# Altium PCB VOU_SOM_CV_V0.0.1.PcbDoc (part 1 of 5) (continued)
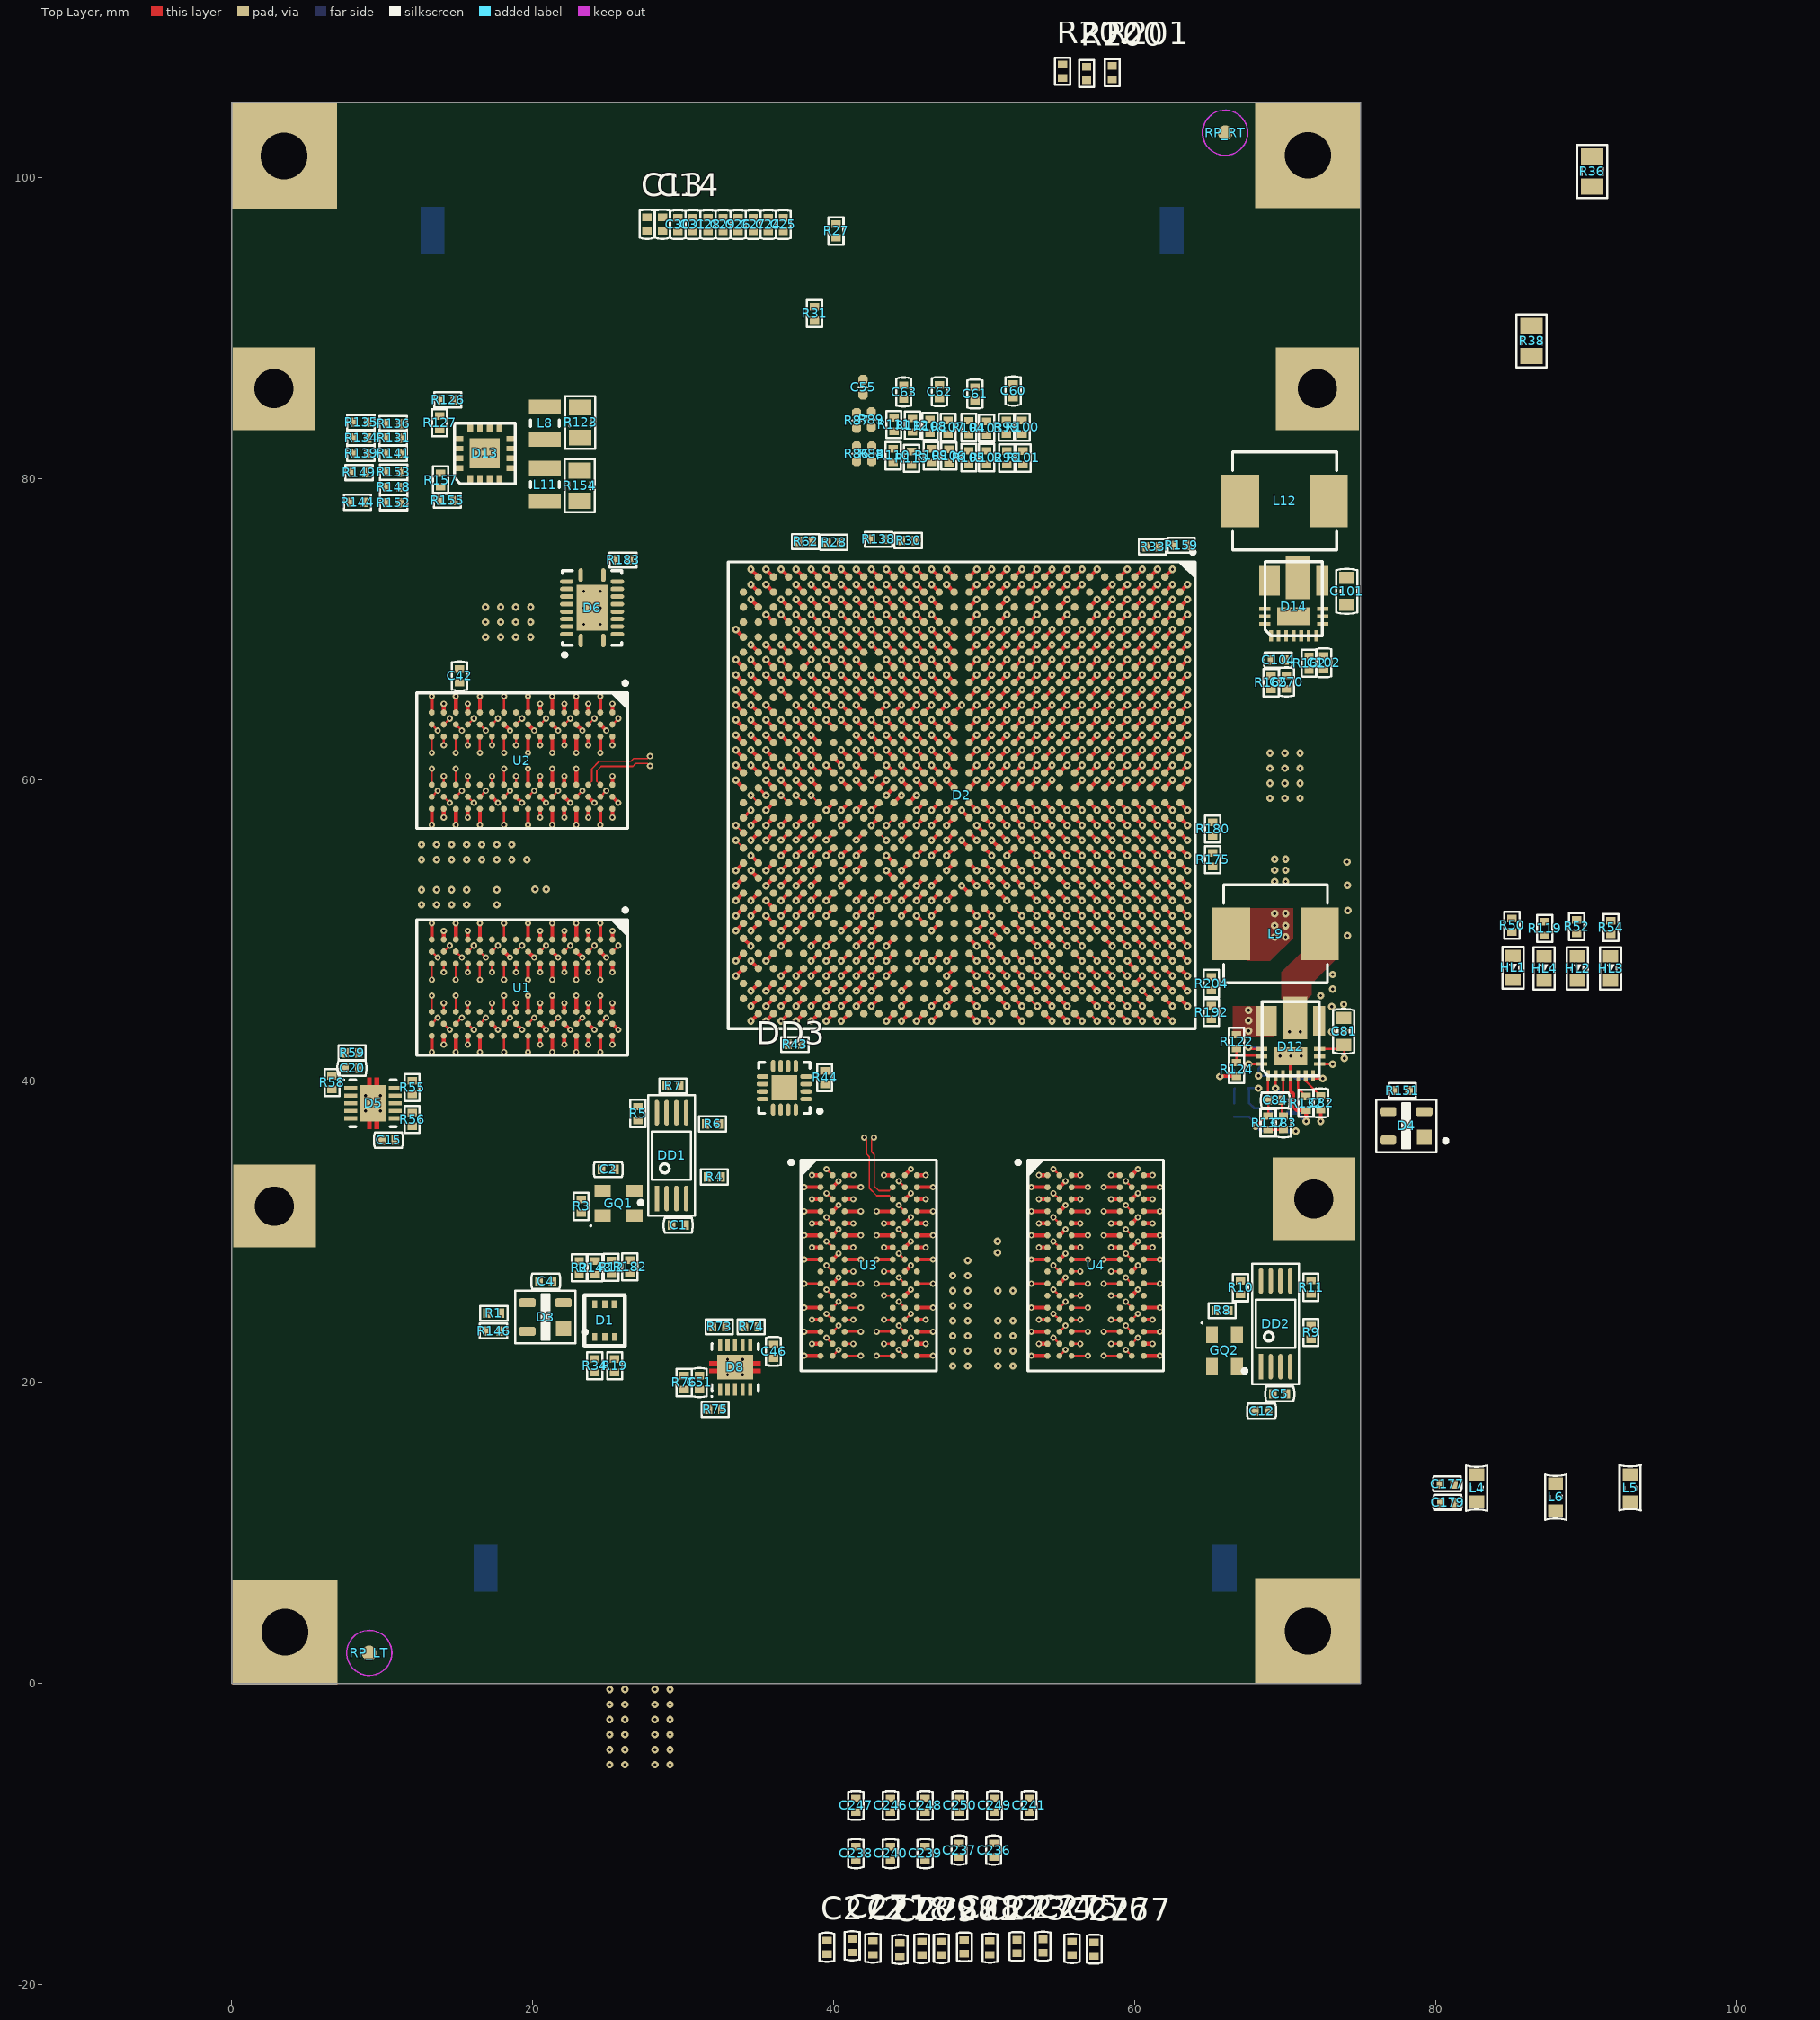
[diagram p0: Top Layer view]
## Classes and differential pairs
net class DDR_D2_HPS: HPS_DDR_D16 HPS_DDR_D17 HPS_DDR_D18 HPS_DDR_D19 HPS_DDR_D20 HPS_DDR_D21 HPS_DDR_D22 HPS_DDR_D23 HPS_DDR_D24 HPS_DDR_D25 HPS_DDR_D26 HPS_DDR_D27 HPS_DDR_D28 HPS_DDR_D29 HPS_DDR_D30 HPS_DDR_D31 HPS_DDR_DM2 HPS_DDR_DM3 HPS_DDR_DQS2_N HPS_DDR_DQS2_P HPS_DDR_DQS3_N HPS_DDR_DQS3_P
net class DDR_D1_HPS: HPS_DDR_D0 HPS_DDR_D1 HPS_DDR_D2 HPS_DDR_D3 HPS_DDR_D4 HPS_DDR_D5 HPS_DDR_D6 HPS_DDR_D7 HPS_DDR_D8 HPS_DDR_D9 HPS_DDR_D10 HPS_DDR_D11 HPS_DDR_D12 HPS_DDR_D13 HPS_DDR_D14 HPS_DDR_D15 HPS_DDR_DM0 HPS_DDR_DM1 HPS_DDR_DQS0_N HPS_DDR_DQS0_P HPS_DDR_DQS1_N HPS_DDR_DQS1_P
net class _PAIR: FPGA_DDR_CK_H_N FPGA_DDR_CK_H_P FPGA_DDR_DQS0_N FPGA_DDR_DQS0_P FPGA_DDR_DQS1_N FPGA_DDR_DQS1_P FPGA_DDR_DQS2_N FPGA_DDR_DQS2_P FPGA_DDR_DQS3_N FPGA_DDR_DQS3_P GXB_REF_CKI_N GXB_REF_CKI_P GXB_REF_CKO_N GXB_REF_CKO_P GXB_RXA0_N GXB_RXA0_P GXB_RXA1_N GXB_RXA1_P GXB_RXA2_N GXB_RXA2_P GXB_RXA3_N GXB_RXA3_P GXB_TXA0_N GXB_TXA0_P GXB_TXA1_N GXB_TXA1_P GXB_TXA2_N GXB_TXA2_P GXB_TXA3_N GXB_TXA3_P GXB_TXA_C0_N GXB_TXA_C0_P GXB_TXA_C1_N GXB_TXA_C1_P GXB_TXA_C2_N GXB_TXA_C2_P GXB_TXA_C3_N GXB_TXA_C3_P HPS_DDR_CK_H_N HPS_DDR_CK_H_P HPS_DDR_DQS0_N HPS_DDR_DQS0_P HPS_DDR_DQS1_N HPS_DDR_DQS1_P HPS_DDR_DQS2_N HPS_DDR_DQS2_P HPS_DDR_DQS3_N HPS_DDR_DQS3_P LVDS0_CKI_N LVDS0_CKI_P LVDS0_CKO_N LVDS0_CKO_P LVDS0_RX0_N LVDS0_RX0_P LVDS0_RX1_N LVDS0_RX1_P LVDS0_RX2_N LVDS0_RX2_P LVDS0_RX3_N LVDS0_RX3_P LVDS0_TX0_N LVDS0_TX0_P LVDS0_TX1_N LVDS0_TX1_P LVDS0_TX2_N LVDS0_TX2_P LVDS0_TX3_N LVDS0_TX3_P LVDS1_CKI_N LVDS1_CKI_P LVDS1_CKO_N LVDS1_CKO_P LVDS1_RX0_N LVDS1_RX0_P LVDS1_RX1_N LVDS1_RX1_P LVDS1_RX2_N LVDS1_RX2_P LVDS1_RX3_N LVDS1_RX3_P LVDS1_TX0_N LVDS1_TX0_P LVDS1_TX1_N LVDS1_TX1_P LVDS1_TX2_N LVDS1_TX2_P LVDS1_TX3_N LVDS1_TX3_P MIPI_CSI_CKA_HS_N MIPI_CSI_CKA_HS_P MIPI_CSI_CKA_LP_N MIPI_CSI_CKA_LP_P MIPI_CSI_CKB_HS_N MIPI_CSI_CKB_HS_P MIPI_CSI_CKB_LP_N MIPI_CSI_CKB_LP_P MIPI_CSI_DA0_HS_N MIPI_CSI_DA0_HS_P MIPI_CSI_DA0_LP_N MIPI_CSI_DA0_LP_P MIPI_CSI_DA1_HS_N MIPI_CSI_DA1_HS_P MIPI_CSI_DA1_LP_N MIPI_CSI_DA1_LP_P MIPI_CSI_DA2_HS_N MIPI_CSI_DA2_HS_P MIPI_CSI_DA2_LP_N MIPI_CSI_DA2_LP_P MIPI_CSI_DA3_HS_N MIPI_CSI_DA3_HS_P MIPI_CSI_DA3_LP_N MIPI_CSI_DA3_LP_P MIPI_CSI_DB0_HS_N MIPI_CSI_DB0_HS_P MIPI_CSI_DB0_LP_N MIPI_CSI_DB0_LP_P MIPI_CSI_DB1_HS_N MIPI_CSI_DB1_HS_P MIPI_CSI_DB1_LP_N MIPI_CSI_DB1_LP_P MIPI_CSI_DB2_HS_N MIPI_CSI_DB2_HS_P MIPI_CSI_DB2_LP_N MIPI_CSI_DB2_LP_P MIPI_CSI_DB3_HS_N MIPI_CSI_DB3_HS_P MIPI_CSI_DB3_LP_N MIPI_CSI_DB3_LP_P
net class PWR: DDR3_VREF_FPGA DDR3_VREF_HPS DDR3_VTT_FPGA DDR3_VTT_HPS GND GND_A GND_B VCC1P1 VCC1P5_DDR3 VCC2P5 VCC2P5_IO VCC3P3 VCC3P3_IO VCC_BAT VCCA_FPLL_2P5 VCCAUX_2P5 VCCAUX_SH_2P5 VCCH_GXBL_2P5 VCCL_GXBL_1P1 VCCPLL_HPS_2P5 VCCRSTCLK_HPS VIN
net class RGMI: RGMI_MDC RGMI_MDC_R RGMI_MDIO RGMI_MDIO_R RGMI_RX_CLK RGMI_RX_CLK_R RGMI_RX_CTL RGMI_RX_CTL_R RGMI_RXD0 RGMI_RXD0_R RGMI_RXD1 RGMI_RXD1_R RGMI_RXD2 RGMI_RXD2_R RGMI_RXD3 RGMI_RXD3_R RGMI_TX_CLK RGMI_TX_CLK_R RGMI_TX_CTL RGMI_TX_CTL_R RGMI_TXD0 RGMI_TXD0_R RGMI_TXD1 RGMI_TXD1_R RGMI_TXD2 RGMI_TXD2_R RGMI_TXD3 RGMI_TXD3_R
net class MIPI: MIPI_CSI-2_A_CK24_2V5 MIPI_CSI-2_A_I2C_CL_2V5 MIPI_CSI-2_A_I2C_CL_R_2V5 MIPI_CSI-2_A_I2C_DA_2V5 MIPI_CSI-2_A_I2C_DA_R_2V5 MIPI_CSI-2_B_CK24_2V5 MIPI_CSI-2_B_I2C_CL_2V5 MIPI_CSI-2_B_I2C_CL_R_2V5 MIPI_CSI-2_B_I2C_DA_2V5 MIPI_CSI-2_B_I2C_DA_R_2V5 MIPI_CSI_CKA_HS_N MIPI_CSI_CKA_HS_P MIPI_CSI_CKA_LP_N MIPI_CSI_CKA_LP_P MIPI_CSI_CKB_HS_N MIPI_CSI_CKB_HS_P MIPI_CSI_CKB_LP_N MIPI_CSI_CKB_LP_P MIPI_CSI_DA0_HS_N MIPI_CSI_DA0_HS_P MIPI_CSI_DA0_LP_N MIPI_CSI_DA0_LP_P MIPI_CSI_DA1_HS_N MIPI_CSI_DA1_HS_P MIPI_CSI_DA1_LP_N MIPI_CSI_DA1_LP_P MIPI_CSI_DA2_HS_N MIPI_CSI_DA2_HS_P MIPI_CSI_DA2_LP_N MIPI_CSI_DA2_LP_P MIPI_CSI_DA3_HS_N MIPI_CSI_DA3_HS_P MIPI_CSI_DA3_LP_N MIPI_CSI_DA3_LP_P MIPI_CSI_DB0_HS_N MIPI_CSI_DB0_HS_P MIPI_CSI_DB0_LP_N MIPI_CSI_DB0_LP_P MIPI_CSI_DB1_HS_N MIPI_CSI_DB1_HS_P MIPI_CSI_DB1_LP_N MIPI_CSI_DB1_LP_P MIPI_CSI_DB2_HS_N MIPI_CSI_DB2_HS_P MIPI_CSI_DB2_LP_N MIPI_CSI_DB2_LP_P MIPI_CSI_DB3_HS_N MIPI_CSI_DB3_HS_P MIPI_CSI_DB3_LP_N MIPI_CSI_DB3_LP_P
net class LVDS1_TX: LVDS1_TX0_N LVDS1_TX0_P LVDS1_TX1_N LVDS1_TX1_P LVDS1_TX2_N LVDS1_TX2_P LVDS1_TX3_N LVDS1_TX3_P
net class LVDS1_RX: LVDS1_RX0_N LVDS1_RX0_P LVDS1_RX1_N LVDS1_RX1_P LVDS1_RX2_N LVDS1_RX2_P LVDS1_RX3_N LVDS1_RX3_P
net class LVDS1_CK: LVDS1_CKI_N LVDS1_CKI_P LVDS1_CKO LVDS1_CKO_N LVDS1_CKO_P
net class LVDS0_TX: LVDS0_TX0_N LVDS0_TX0_P LVDS0_TX1_N LVDS0_TX1_P LVDS0_TX2_N LVDS0_TX2_P LVDS0_TX3_N LVDS0_TX3_P
net class LVDS0_RX: LVDS0_RX0_N LVDS0_RX0_P LVDS0_RX1_N LVDS0_RX1_P LVDS0_RX2_N LVDS0_RX2_P LVDS0_RX3_N LVDS0_RX3_P
net class LVDS0_CK: LVDS0_CKI_N LVDS0_CKI_P LVDS0_CKO LVDS0_CKO_N LVDS0_CKO_P
net class USB_HPS: HPS_USB_CKO HPS_USB_CKO_R HPS_USB_D0 HPS_USB_D0_R HPS_USB_D1 HPS_USB_D1_R HPS_USB_D2 HPS_USB_D2_R HPS_USB_D3 HPS_USB_D3_R HPS_USB_D4 HPS_USB_D4_R HPS_USB_D5 HPS_USB_D5_R HPS_USB_D6 HPS_USB_D6_R HPS_USB_D7 HPS_USB_D7_R HPS_USB_DIR HPS_USB_DIR_R HPS_USB_NXT HPS_USB_NXT_R HPS_USB_STP HPS_USB_STP_R
net class UART_HPS: HPS_UART0_RX HPS_UART0_RX_R HPS_UART0_TX HPS_UART0_TX_R HPS_UART1_RX HPS_UART1_RX_R HPS_UART1_TX HPS_UART1_TX_R
net class SPI_HPS: HPS_SPI_CS#_R HPS_SPI_MISO HPS_SPI_MISO_R HPS_SPI_MOSI HPS_SPI_MOSI_R HPS_SPI_SCK HPS_SPI_SCK_R
net class SD_HPS: HPS_SD_CLK HPS_SD_CLK_R HPS_SD_CMD HPS_SD_CMD_R HPS_SD_D0 HPS_SD_D0_R HPS_SD_D1 HPS_SD_D1_R HPS_SD_D2 HPS_SD_D2_R HPS_SD_D3 HPS_SD_D3_R
net class JTAG: HPS_JTAG_TCK HPS_JTAG_TDI HPS_JTAG_TDO HPS_JTAG_TMS TCK TDI TDO TMS
net class I2C_HPS: HPS_I2C0_CL HPS_I2C0_CL_R HPS_I2C0_DA HPS_I2C0_DA_R HPS_I2C1_CL HPS_I2C1_CL_R HPS_I2C1_DA HPS_I2C1_DA_R
net class IO_HPS: HPS_GPIO0 HPS_GPIO0_R HPS_GPIO1 HPS_GPIO1_R HPS_GPIO2 HPS_GPIO2_R HPS_GPIO3 HPS_GPIO3_R HPS_GPIO4 HPS_GPIO4_R HPS_GPIO5 HPS_GPIO5_R HPS_GPIO6 HPS_GPIO6_R HPS_GPIO7 HPS_GPIO7_R HPS_GPIO8 HPS_GPIO8_R HPS_GPIO9 HPS_GPIO9_R HPS_GPIO10 HPS_GPIO10_R HPS_GPIO11 HPS_GPIO11_R
net class DDR_A_HPS: HPS_DDR_A0 HPS_DDR_A1 HPS_DDR_A2 HPS_DDR_A3 HPS_DDR_A4 HPS_DDR_A5 HPS_DDR_A6 HPS_DDR_A7 HPS_DDR_A8 HPS_DDR_A9 HPS_DDR_A10 HPS_DDR_A11 HPS_DDR_A12 HPS_DDR_A13 HPS_DDR_A14 HPS_DDR_BA0 HPS_DDR_BA1 HPS_DDR_BA2 HPS_DDR_CAS# HPS_DDR_CK_H_N HPS_DDR_CK_H_P HPS_DDR_CKE HPS_DDR_CS# HPS_DDR_ODT HPS_DDR_RAS# HPS_DDR_RST# HPS_DDR_WE#
net class CLK: HPS_CLK_25_1 HPS_CLK_25_2 LVDS0_CKO LVDS0_CKO_N LVDS0_CKO_P LVDS1_CKO LVDS1_CKO_N LVDS1_CKO_P NetR7_2 NetR11_2 OSC_50_B3B OSC_50_B4B OSC_50_B5A5B
net class GXB_TXA: GXB_TXA0_N GXB_TXA0_P GXB_TXA1_N GXB_TXA1_P GXB_TXA2_N GXB_TXA2_P GXB_TXA3_N GXB_TXA3_P GXB_TXA_C0_N GXB_TXA_C0_P GXB_TXA_C1_N GXB_TXA_C1_P GXB_TXA_C2_N GXB_TXA_C2_P GXB_TXA_C3_N GXB_TXA_C3_P
net class GXB_RXA: GXB_RXA0_N GXB_RXA0_P GXB_RXA1_N GXB_RXA1_P GXB_RXA2_N GXB_RXA2_P GXB_RXA3_N GXB_RXA3_P
net class GXB_CK: GXB_REF_CKI_N GXB_REF_CKI_P GXB_REF_CKO_N GXB_REF_CKO_P
net class CFG_FPGA: FPGA_CFG2V5_IO_0 FPGA_CFG2V5_IO_1 FPGA_CFG2V5_IO_2 FPGA_CFG2V5_IO_3 FPGA_CFG2V5_IO_4 FPGA_CFG2V5_IO_5 FPGA_CFG2V5_IO_6 FPGA_CFG2V5_IO_7 FPGA_CFG2V5_IO_8 FPGA_CFG2V5_IO_9 FPGA_CFG2V5_IO_10 FPGA_CFG2V5_IO_11 FPGA_CFG2V5_IO_12 FPGA_CFG2V5_IO_13 FPGA_CFG2V5_IO_14 FPGA_CFG2V5_IO_15 FPGA_CFG2V5_IO_16 FPGA_CFG2V5_IO_17 FPGA_CFG2V5_IO_18 FPGA_CFG2V5_IO_19 FPGA_CFG2V5_IO_20 FPGA_CFG2V5_IO_21 FPGA_CFG2V5_IO_22 FPGA_CFG2V5_IO_23 FPGA_CFG2V5_IO_24 FPGA_CFG2V5_IO_25 FPGA_CFG2V5_IO_26 FPGA_CFG2V5_IO_27 FPGA_CFG2V5_IO_28 FPGA_CFG2V5_IO_29 FPGA_CFG2V5_IO_30 FPGA_CFG2V5_IO_31 FPGA_CFG2V5_IO_32 FPGA_CFG2V5_IO_33 FPGA_CFG2V5_IO_34 FPGA_CFG2V5_IO_35 FPGA_CFG2V5_IO_36 FPGA_CFG2V5_IO_37 FPGA_CFG2V5_IO_38 FPGA_CFG2V5_IO_39 FPGA_CFG2V5_IO_40 FPGA_CFG2V5_IO_41 FPGA_CFG2V5_IO_42 FPGA_CFG2V5_IO_43 FPGA_CFG2V5_IO_44 FPGA_CFG2V5_IO_45 FPGA_CFG2V5_IO_46 FPGA_CFG2V5_IO_47 FPGA_CFG2V5_IO_R_0 FPGA_CFG2V5_IO_R_1 FPGA_CFG2V5_IO_R_2 FPGA_CFG2V5_IO_R_3 FPGA_CFG2V5_IO_R_4 FPGA_CFG2V5_IO_R_5 FPGA_CFG2V5_IO_R_6 FPGA_CFG2V5_IO_R_7 FPGA_CFG2V5_IO_R_8 FPGA_CFG2V5_IO_R_9 FPGA_CFG2V5_IO_R_10 FPGA_CFG2V5_IO_R_11 FPGA_CFG2V5_IO_R_12 FPGA_CFG2V5_IO_R_13 FPGA_CFG2V5_IO_R_14 FPGA_CFG2V5_IO_R_15 FPGA_CFG2V5_IO_R_16 FPGA_CFG2V5_IO_R_17 FPGA_CFG2V5_IO_R_18 FPGA_CFG2V5_IO_R_19 FPGA_CFG2V5_IO_R_20 FPGA_CFG2V5_IO_R_21 FPGA_CFG2V5_IO_R_22 FPGA_CFG2V5_IO_R_23 FPGA_CFG2V5_IO_R_24 FPGA_CFG2V5_IO_R_25 FPGA_CFG2V5_IO_R_26 FPGA_CFG2V5_IO_R_27
component class CLK_src&sys_logic.SchDoc: C1 C2 C3 C4 C5 C11 C12 D1 D3 D4 DD1 DD2 GQ1 GQ2 R1 R2 R3 R4 R5 R6 R7 R8 R9 R10 R11 R12 R13 R18 R19 R34 R63 R143 R146 R147 R151 R174 R175 R179 R180 R182 R184 R185 R186 R187 R195 R196 R197 R198 R199
component class Conn_A.SchDoc: R14 R15 R16 R17 R22 R23 R24 R25 X1
component class Conn_B.SchDoc: R20 R21 R26 R27 R29 R31 R200 R201 R202 X2
component class DIMS_DSP_MainBoard_Interface.SchDoc: C53 C54 C55 C56 C57 C60 C61 C62 C63 C64 R78 R79 R80 R81 R82 R83 R84 R85 R86 R87 R88 R89 R90 R91 R92 R93 R94 R95 R96 R97 R98 R99 R100 R101 R102 R103 R104 R105 R106 R107 R108 R109 R110 R111 R112 R113 R114 R115 R116 R117
component class FPGA_DDR3&IO.SchDoc: C6 C7 C8 C15 C16 C17 C18 C19 C20 D5 R40 R41 R42 R47 R48 R49 R53 R55 R56 R57 R58 R59 R190 U1 U2
component class FPGA_IOs.SchDoc: C9 C10 C13 C14 C24 C25 C26 C27 C28 C29 C30 C31 C34 C35 C42 D2 D6 D7 DD3 HL1 HL2 HL3 HL4 R28 R30 R32 R33 R35 R37 R39 R43 R44 R45 R50 R51 R52 R54 R62 R118 R119 R120 R138 R159 R176 R177 R178 R181 R183 R191
component class HPS_DDR3.SchDoc: C43 C44 C45 C46 C47 C48 C49 C50 C51 D8 R64 R65 R66 R67 R68 R69 R70 R71 R72 R73 R74 R75 R76 U3 U4
component class HPS_IOs.SchDoc: C52 D9 R77 R192 R193 R194 R204
component class SoC_pwr_1.SchDoc: C70 C87 C94 C103 C105 C106 C107 C108 C109 C110 C111 C112 C113 C114 C115 C116 C117 C118 C119 C120 C121 C122 C123 C124 C125 C126 C127 C128 C129 C130 C131 C132 C133 C134 C135 C136 C137 C138 C139 C140 C141 C142 C143 C144 C145 C146 C147 C148 C149 C150 C151 C152 C153 C154 C155 C156 C157 C158 C159 C160 C161 C162 C163 C164 C165 C166 C167 C168 C169 C170 C171 C172 C173 C174 C175 C176 C177 C178 C179 C180 C181 C182 C183 C184 C185 C186 C187 C188 C189 C190 C191 C192 C193 C194 C195 C196 C197 C198 C199 C200 C201 C202 C203 C204 C205 C206 C207 C208 C209 C210 C211 C212 C213 C214 C215 C216 C217 C218 C219 C220 C221 C222 C223 C224 C225 C226 C227 C228 C229 C230 C231 C232 C233 C234 C235 C236 C237 C238 C239 C240 C241 C242 C243 C244 C245 C246 C247 C248 C249 C250 C251 C252 C253 C254 C255 C256 C257 C258 C259 C260 C261 C262 C263 C264 C265 C266 C271 C272 C273 C274 C275 C276 C277 C278 C279 C280 C281 C282 L1 L2 L3 L4 L5 L6 L13
component class SoC_pwr_2.SchDoc: C68 C69 C72 C73 C74 C75 C76 C77 C78 C79 C80 C81 C82 C83 C84 C88 C89 C90 C91 C92 C93 C95 C96 C97 C98 C99 C100 C101 C102 C104 C267 C268 C269 C270 D12 D13 D14 L8 L9 L11 L12 R36 R38 R121 R122 R123 R124 R125 R126 R127 R128 R129 R130 R131 R132 R133 R134 R135 R136 R137 R139 R140 R141 R142 R144 R145 R148 R149 R150 R152 R153 R154 R155 R156 R157 R158 R160 R161 R162 R164 R165 R166 R167 R168
component class VOU_SOM_CV_V0.0.1: RP_BL RP_BR RP_LT RP_RT
net class DDR_A_FPGA: FPGA_DDR_A0 FPGA_DDR_A1 FPGA_DDR_A2 FPGA_DDR_A3 FPGA_DDR_A4 FPGA_DDR_A5 FPGA_DDR_A6 FPGA_DDR_A7 FPGA_DDR_A8 FPGA_DDR_A9 FPGA_DDR_A10 FPGA_DDR_A11 FPGA_DDR_A12 FPGA_DDR_A13 FPGA_DDR_A14 FPGA_DDR_BA0 FPGA_DDR_BA1 FPGA_DDR_BA2 FPGA_DDR_CAS# FPGA_DDR_CK_H_N FPGA_DDR_CK_H_P FPGA_DDR_CKE FPGA_DDR_CS# FPGA_DDR_ODT FPGA_DDR_RAS# FPGA_DDR_WE#
net class DDR_D1_FPGA: FPGA_DDR_D0 FPGA_DDR_D1 FPGA_DDR_D2 FPGA_DDR_D3 FPGA_DDR_D4 FPGA_DDR_D5 FPGA_DDR_D6 FPGA_DDR_D7 FPGA_DDR_D8 FPGA_DDR_D9 FPGA_DDR_D10 FPGA_DDR_D11 FPGA_DDR_D12 FPGA_DDR_D13 FPGA_DDR_D14 FPGA_DDR_D15 FPGA_DDR_DM0 FPGA_DDR_DM1 FPGA_DDR_DQS0_N FPGA_DDR_DQS0_P FPGA_DDR_DQS1_N FPGA_DDR_DQS1_P
net class DDR_D2_FPGA: FPGA_DDR_D16 FPGA_DDR_D17 FPGA_DDR_D18 FPGA_DDR_D19 FPGA_DDR_D20 FPGA_DDR_D21 FPGA_DDR_D22 FPGA_DDR_D23 FPGA_DDR_D24 FPGA_DDR_D25 FPGA_DDR_D26 FPGA_DDR_D27 FPGA_DDR_D28 FPGA_DDR_D29 FPGA_DDR_D30 FPGA_DDR_D31 FPGA_DDR_DM2 FPGA_DDR_DM3 FPGA_DDR_DQS2_N FPGA_DDR_DQS2_P FPGA_DDR_DQS3_N FPGA_DDR_DQS3_P
net class DDR_DQS_FPGA: FPGA_DDR_DQS0_N FPGA_DDR_DQS0_P FPGA_DDR_DQS1_N FPGA_DDR_DQS1_P FPGA_DDR_DQS2_N FPGA_DDR_DQS2_P FPGA_DDR_DQS3_N FPGA_DDR_DQS3_P
net class DDR_DQS_HPS: HPS_DDR_DQS0_N HPS_DDR_DQS0_P HPS_DDR_DQS1_N HPS_DDR_DQS1_P HPS_DDR_DQS2_N HPS_DDR_DQS2_P HPS_DDR_DQS3_N HPS_DDR_DQS3_P
differential pair FPGA_DDR_CK_H: +FPGA_DDR_CK_H_P -FPGA_DDR_CK_H_N
differential pair FPGA_DDR_DQS0: +FPGA_DDR_DQS0_P -FPGA_DDR_DQS0_N
differential pair FPGA_DDR_DQS1: +FPGA_DDR_DQS1_P -FPGA_DDR_DQS1_N
differential pair FPGA_DDR_DQS2: +FPGA_DDR_DQS2_P -FPGA_DDR_DQS2_N
differential pair FPGA_DDR_DQS3: +FPGA_DDR_DQS3_P -FPGA_DDR_DQS3_N
differential pair GXB_REF_CKI: +GXB_REF_CKI_P -GXB_REF_CKI_N
differential pair GXB_REF_CKO: +GXB_REF_CKO_P -GXB_REF_CKO_N
differential pair GXB_RXA0: +GXB_RXA0_P -GXB_RXA0_N
differential pair GXB_RXA1: +GXB_RXA1_P -GXB_RXA1_N
differential pair GXB_RXA2: +GXB_RXA2_P -GXB_RXA2_N
differential pair GXB_RXA3: +GXB_RXA3_P -GXB_RXA3_N
differential pair GXB_TXA0: +GXB_TXA0_P -GXB_TXA0_N
differential pair GXB_TXA1: +GXB_TXA1_P -GXB_TXA1_N
differential pair GXB_TXA2: +GXB_TXA2_P -GXB_TXA2_N
differential pair GXB_TXA3: +GXB_TXA3_P -GXB_TXA3_N
differential pair GXB_TXA_C0: +GXB_TXA_C0_P -GXB_TXA_C0_N
differential pair GXB_TXA_C1: +GXB_TXA_C1_P -GXB_TXA_C1_N
differential pair GXB_TXA_C2: +GXB_TXA_C2_P -GXB_TXA_C2_N
differential pair GXB_TXA_C3: +GXB_TXA_C3_P -GXB_TXA_C3_N
differential pair HPS_DDR_CK_H: +HPS_DDR_CK_H_P -HPS_DDR_CK_H_N
differential pair HPS_DDR_DQS0: +HPS_DDR_DQS0_P -HPS_DDR_DQS0_N
differential pair HPS_DDR_DQS1: +HPS_DDR_DQS1_P -HPS_DDR_DQS1_N
differential pair HPS_DDR_DQS2: +HPS_DDR_DQS2_P -HPS_DDR_DQS2_N
differential pair HPS_DDR_DQS3: +HPS_DDR_DQS3_P -HPS_DDR_DQS3_N
differential pair LVDS0_CKI: +LVDS0_CKI_P -LVDS0_CKI_N
differential pair LVDS0_CKO: +LVDS0_CKO_P -LVDS0_CKO_N
differential pair LVDS0_RX0: +LVDS0_RX0_P -LVDS0_RX0_N
differential pair LVDS0_RX1: +LVDS0_RX1_P -LVDS0_RX1_N
differential pair LVDS0_RX2: +LVDS0_RX2_P -LVDS0_RX2_N
differential pair LVDS0_RX3: +LVDS0_RX3_P -LVDS0_RX3_N
differential pair LVDS0_TX0: +LVDS0_TX0_P -LVDS0_TX0_N
differential pair LVDS0_TX1: +LVDS0_TX1_P -LVDS0_TX1_N
differential pair LVDS0_TX2: +LVDS0_TX2_P -LVDS0_TX2_N
differential pair LVDS0_TX3: +LVDS0_TX3_P -LVDS0_TX3_N
differential pair LVDS1_CKI: +LVDS1_CKI_P -LVDS1_CKI_N
differential pair LVDS1_CKO: +LVDS1_CKO_P -LVDS1_CKO_N
differential pair LVDS1_RX0: +LVDS1_RX0_P -LVDS1_RX0_N
differential pair LVDS1_RX1: +LVDS1_RX1_P -LVDS1_RX1_N
differential pair LVDS1_RX2: +LVDS1_RX2_P -LVDS1_RX2_N
differential pair LVDS1_RX3: +LVDS1_RX3_P -LVDS1_RX3_N
differential pair LVDS1_TX0: +LVDS1_TX0_P -LVDS1_TX0_N
differential pair LVDS1_TX1: +LVDS1_TX1_P -LVDS1_TX1_N
differential pair LVDS1_TX2: +LVDS1_TX2_P -LVDS1_TX2_N
differential pair LVDS1_TX3: +LVDS1_TX3_P -LVDS1_TX3_N
differential pair MIPI_CSI_CKA_HS: +MIPI_CSI_CKA_HS_P -MIPI_CSI_CKA_HS_N
differential pair MIPI_CSI_CKB_HS: +MIPI_CSI_CKB_HS_P -MIPI_CSI_CKB_HS_N
differential pair MIPI_CSI_DA0_HS: +MIPI_CSI_DA0_HS_P -MIPI_CSI_DA0_HS_N
differential pair MIPI_CSI_DA1_HS: +MIPI_CSI_DA1_HS_P -MIPI_CSI_DA1_HS_N
differential pair MIPI_CSI_DA2_HS: +MIPI_CSI_DA2_HS_P -MIPI_CSI_DA2_HS_N
differential pair MIPI_CSI_DA3_HS: +MIPI_CSI_DA3_HS_P -MIPI_CSI_DA3_HS_N
differential pair MIPI_CSI_DB0_HS: +MIPI_CSI_DB0_HS_P -MIPI_CSI_DB0_HS_N
differential pair MIPI_CSI_DB1_HS: +MIPI_CSI_DB1_HS_P -MIPI_CSI_DB1_HS_N
differential pair MIPI_CSI_DB2_HS: +MIPI_CSI_DB2_HS_P -MIPI_CSI_DB2_HS_N
differential pair MIPI_CSI_DB3_HS: +MIPI_CSI_DB3_HS_P -MIPI_CSI_DB3_HS_N
differential pair GXB_REF_C_CKO: +GXB_REF_C_CKO_P -GXB_REF_C_CKO_N

## Components (designator, comment, footprint, x,y, rotation, side; value= is the part's Value field where it differs from the comment)
C1 "CC0402-X7R-0,1 мкФ-20%-10В" CC0402(1005) 29.675,30.45 r0 top
C2 "CC0402-X7R-0,01 мкФ-10%-50В" CC0402(1005) 25.025,34.15 r180 top
C3 "CC0402-X7R-0,1 мкФ-20%-10В" CC0402(1005) 24.825,24.075 r270 bottom
C4 "CC0402-X7R-0,01 мкФ-10%-50В" CC0402(1005) 20.875,26.725 r180 top
C5 "CC0402-X7R-0,1 мкФ-20%-10В" CC0402(1005) 69.625,19.25 r0 top
C6 "W3A4YC104KAT2A" CAF-80P319X159-8N 7.325,53.875 r0 bottom
C7 "W3A4YC104KAT2A" CAF-80P319X159-8N 7.45,49.525 r0 bottom
C8 "W3A4YC104KAT2A" CAF-80P319X159-8N 7.275,58.6 r0 bottom
C9 "CC0402-X7R-0,1 мкФ-20%-10В" CC0402(1005) 36.925,41.025 r0 bottom
C10 "CC0402-X5R-10 мкФ-20%-6.3В" CC0402(1005) 38.175,39.775 r90 bottom
C11 "CC0402-X7R-0,01 мкФ-10%-50В" CC0402(1005) 76.992,37.097 r180 bottom
C12 "CC0402-X7R-0,01 мкФ-10%-50В" CC0402(1005) 68.425,18.1 r180 top
C13 "CC0402-X7R-0,1 мкФ-20%-10В" CC0402(1005) 27.6,96.925 r90 top
C14 "CC0402-X7R-0,1 мкФ-20%-10В" CC0402(1005) 28.625,96.925 r90 top
C15 "CC0402-X7R-0,1 мкФ-20%-10В" CC0402(1005) 10.425,36.1 r180 top
C16 "CC0402-X5R-22 мкФ-20%-6.3В" CC0402(1005) 10.6,39.8 r180 bottom
C17 "CC0402-X5R-22 мкФ-20%-6.3В" CC0402(1005) 7.875,37.525 r0 bottom
C18 "CC0402-X5R-22 мкФ-20%-6.3В" CC0402(1005) 7.875,38.55 r0 bottom
C19 "CC0402-X5R-22 мкФ-20%-6.3В" CC0402(1005) 7.125,39.55 r0 bottom
C20 "CC0402-NP01000 пФ-1%-50В" CC0402(1005) 8,40.875 r0 top
C24 "CC0402-X7R-0,1 мкФ-20%-10В" CC0402(1005) 35.65,96.9 r90 top
C25 "CC0402-X7R-0,1 мкФ-20%-10В" CC0402(1005) 36.65,96.9 r90 top
C26 "CC0402-X7R-0,1 мкФ-20%-10В" CC0402(1005) 33.65,96.9 r90 top
C27 "CC0402-X7R-0,1 мкФ-20%-10В" CC0402(1005) 34.65,96.9 r90 top
C28 "CC0402-X7R-0,1 мкФ-20%-10В" CC0402(1005) 31.65,96.9 r90 top
C29 "CC0402-X7R-0,1 мкФ-20%-10В" CC0402(1005) 32.65,96.9 r90 top
C30 "CC0402-X7R-0,1 мкФ-20%-10В" CC0402(1005) 29.65,96.9 r90 top
C31 "CC0402-X7R-0,1 мкФ-20%-10В" CC0402(1005) 30.65,96.9 r90 top
C34 "CC0402-X7R-0,1 мкФ-20%-10В" CC0402(1005) 24.175,69.3 r0 bottom
C35 "CC0402-X7R-0,1 мкФ-20%-10В" CC0402(1005) 22.375,70.75 r270 bottom
C42 "CC0402-X7R-0,1 мкФ-20%-10В" CC0402(1005) 15.15,66.925 r270 top
C43 "W3A4YC104KAT2A" CAF-80P319X159-8N 44.675,15.8 r90 bottom
C44 "W3A4YC104KAT2A" CAF-80P319X159-8N 48.975,16.025 r90 bottom
C45 "W3A4YC104KAT2A" CAF-80P319X159-8N 53.575,16.025 r90 bottom
C46 "CC0402-X7R-0,1 мкФ-20%-10В" CC0402(1005) 36,22.075 r270 top
C47 "CC0402-X5R-4.7 мкФ-20%-6.3В" CC0402(1005) 32.15,22.225 r270 bottom
C48 "CC0402-X5R-22 мкФ-20%-6.3В" CC0402(1005) 34.45,19.475 r90 bottom
C49 "CC0402-X5R-22 мкФ-20%-6.3В" CC0402(1005) 33.45,19.5 r90 bottom
C50 "CC0402-X5R-22 мкФ-20%-6.3В" CC0402(1005) 30.4,21.25 r0 bottom
C51 "CC0402-NP01000 пФ-1%-50В" CC0402(1005) 31.075,20 r90 top
C52 "CC0402-X7R-0,1 мкФ-20%-10В" CC0402(1005) 67.78,64.24 r180 bottom
C53 "CC0402-NP0-100 пФ-1%-50В" CC0402(1005)_OCT 61.925,85.425 r270 bottom
C54 "CC0402-NP0-100 пФ-1%-50В" CC0402(1005)_OCT 60,85.5 r270 bottom
C55 "CC0402-NP0-100 пФ-1%-50В" CC0402(1005)_OCT 41.95,86.1 r270 top
C56 "CC0402-NP0-100 пФ-1%-50В" CC0402(1005)_OCT 54.05,85.325 r270 bottom
C57 "CC0402-NP0-100 пФ-1%-50В" CC0402(1005)_OCT 57,85.475 r270 bottom
C60 "CC0402-NP0-100 пФ-1%-50В" CC0402(1005) 51.925,85.85 r270 top
C61 "CC0402-NP0-100 пФ-1%-50В" CC0402(1005) 49.375,85.65 r270 top
C62 "CC0402-NP0-100 пФ-1%-50В" CC0402(1005) 47.025,85.8 r270 top
C63 "CC0402-NP0-100 пФ-1%-50В" CC0402(1005) 44.65,85.775 r270 top
C64 "CC0402-NP0-100 пФ-1%-50В" CC0402(1005) 64.875,85.35 r270 bottom
C68 "CC0603-X5R-47 мкФ-20%-6,3В" CC0603 69.7,48.1 r0 bottom
C69 "CC0603-X5R-47 мкФ-20%-6,3В" CC0603 66.55,41.625 r270 bottom
C70 "CC0402-X7R-0,1 мкФ-20%-10В" CC0402(1005)_OCT 47,70 r270 bottom
C72 "CC0603-X5R-22 мкФ-20%-6,3В" CC0603 23.794,83.36 r0 bottom
C73 "CC0603-X5R-22 мкФ-20%-6,3В" CC0603 23.794,84.785 r0 bottom
C74 "CC0402-X7R-2200 пФ-10%-16В" CC0402(1005) 67.075,39.525 r0 bottom
C75 "CC0603-X5R-22 мкФ-20%-6,3В" CC0603 69.7,44.525 r0 bottom
C76 "CC0603-X5R-22 мкФ-20%-6,3В" CC0603 69.7,46.3 r0 bottom
C77 "CC0603-X5R-22 мкФ-20%-6,3В" CC0603 72.075,49.65 r0 bottom
C78 "CC0603-X5R-22 мкФ-20%-6,3В" CC0603 72.075,51.375 r0 bottom
C79 "CC0603-X5R-22 мкФ-20%-6,3В" CC0603 72,54.575 r0 bottom
C80 "CC0603-X5R-22 мкФ-20%-6,3В" CC0603 72.05,53.05 r0 bottom
C81 "CC0603-X5R-1 мкФ-10%-25В" CC0603 73.875,43.325 r270 top
C82 "CC0402-X7R-0,1 мкФ-20%-10В" CC0402(1005) 72.35,38.575 r90 top
C83 "CC0402-X7R-0,01 мкФ-10%-50В" CC0402(1005) 69.875,37.25 r270 top
C84 "CC0402-NP0-270 пФ-1%-50В" CC0402(1005) 69.325,38.75 r0 top
C87 "CC0603-X5R-22 мкФ-20%-6,3В" CC0603 48.5,74.625 r90 bottom
C88 "CC0603-X5R-22 мкФ-20%-6,3В" CC0603 15.969,80.16 r180 bottom
C89 "CC0603-X5R-47 мкФ-20%-6,3В" CC0603 71.55,75.45 r0 bottom
C90 "CC0603-X5R-47 мкФ-20%-6,3В" CC0603 71.575,76.775 r0 bottom
C91 "CC0603-X5R-22 мкФ-20%-6,3В" CC0603 23.719,78.71 r0 bottom
C92 "CC0603-X5R-22 мкФ-20%-6,3В" CC0603 23.719,80.085 r0 bottom
C93 "CC0402-X7R-0,1 мкФ-20%-10В" CC0402(1005) 68.7,70.8 r270 bottom
C94 "CC0402-X7R-4700 пФ-10%-50В" CC0402(1005)_OCT 44,67 r90 bottom
C95 "CC0603-X5R-22 мкФ-20%-6,3В" CC0603 71.55,75.45 r0 bottom
C96 "CC0603-X5R-22 мкФ-20%-6,3В" CC0603 71.6,78.075 r0 bottom
C97 "CC0603-X5R-22 мкФ-20%-6,3В" CC0603 71.675,79.525 r0 bottom
C98 "CC0603-X5R-22 мкФ-20%-6,3В" CC0603 71.675,80.975 r0 bottom
C99 "CC0603-X5R-22 мкФ-20%-6,3В" CC0603 80.775,79.45 r180 bottom
C100 "CC0603-X5R-22 мкФ-20%-6,3В" CC0603 80.825,77.85 r180 bottom
C101 "CC0603-X5R-1 мкФ-10%-25В" CC0603 74.075,72.55 r270 top
C102 "CC0402-X7R-0,1 мкФ-20%-10В" CC0402(1005) 72.55,67.8 r90 top
C103 "CC0402-X7R-0,01 мкФ-10%-50В" CC0402(1005)_OCT 51,71 r270 bottom
C104 "CC0402-NP0-270 пФ-1%-50В" CC0402(1005) 69.525,67.975 r0 top
C105 "CC0402-X7R-0,1 мкФ-20%-10В" CC0402(1005)_OCT 44,70 r270 bottom
C106 "CC0402-X7R-0,01 мкФ-10%-50В" CC0402(1005)_OCT 53,70 r270 bottom
C107 "CC0402-X7R-0,01 мкФ-10%-50В" CC0402(1005)_OCT 34.5,64.5 r180 bottom
C108 "CC0402-X7R-0,01 мкФ-10%-50В" CC0402(1005)_OCT 38,53 r270 bottom
C109 "CC0402-X7R-0,01 мкФ-10%-50В" CC0402(1005)_OCT 37.5,60.5 r0 bottom
C110 "CC0402-X7R-0,1 мкФ-20%-10В" CC0402(1005)_OCT 34.5,48.5 r0 bottom
C111 "CC0402-X7R-0,1 мкФ-20%-10В" CC0402(1005)_OCT 43.5,56.5 r180 bottom
C112 "CC0402-X7R-0,01 мкФ-10%-50В" CC0402(1005)_OCT 39.5,64.5 r180 bottom
C113 "CC0402-X7R-0,01 мкФ-10%-50В" CC0402(1005)_OCT 50,56 r270 bottom
C114 "CC0402-X7R-0,01 мкФ-10%-50В" CC0402(1005)_OCT 46.5,54.5 r0 bottom
C115 "CC0402-X7R-0,01 мкФ-10%-50В" CC0402(1005)_OCT 53,55 r270 bottom
C116 "CC0402-X7R-0,01 мкФ-10%-50В" CC0402(1005)_OCT 50,64 r90 bottom
C117 "CC0402-X7R-0,01 мкФ-10%-50В" CC0402(1005)_OCT 50,62 r90 bottom
C118 "CC0402-X7R-0,01 мкФ-10%-50В" CC0402(1005)_OCT 49,60 r90 bottom
C119 "CC0402-X7R-0,01 мкФ-10%-50В" CC0402(1005)_OCT 47,53 r90 bottom
C120 "CC0402-X7R-0,01 мкФ-10%-50В" CC0402(1005)_OCT 46.5,61.5 r180 bottom
C121 "CC0402-X7R-0,01 мкФ-10%-50В" CC0402(1005)_OCT 41.5,55.5 r180 bottom
C122 "CC0402-X7R-0,01 мкФ-10%-50В" CC0402(1005)_OCT 40,59 r90 bottom
C123 "CC0402-X7R-0,1 мкФ-20%-10В" CC0402(1005)_OCT 42,70 r270 bottom
C124 "CC0402-X7R-0,1 мкФ-20%-10В" CC0402(1005)_OCT 45,70 r270 bottom
C125 "CC0402-X7R-0,01 мкФ-10%-50В" CC0402(1005)_OCT 46,70 r270 bottom
C126 "CC0402-X7R-0,01 мкФ-10%-50В" CC0402(1005)_OCT 50,70 r270 bottom
C127 "CC0402-X7R-0,01 мкФ-10%-50В" CC0402(1005)_OCT 44.5,61.5 r180 bottom
C128 "CC0402-X7R-0,01 мкФ-10%-50В" CC0402(1005)_OCT 52.5,58.5 r0 bottom